# KiCad board MainPCBV2.kicad_pcb
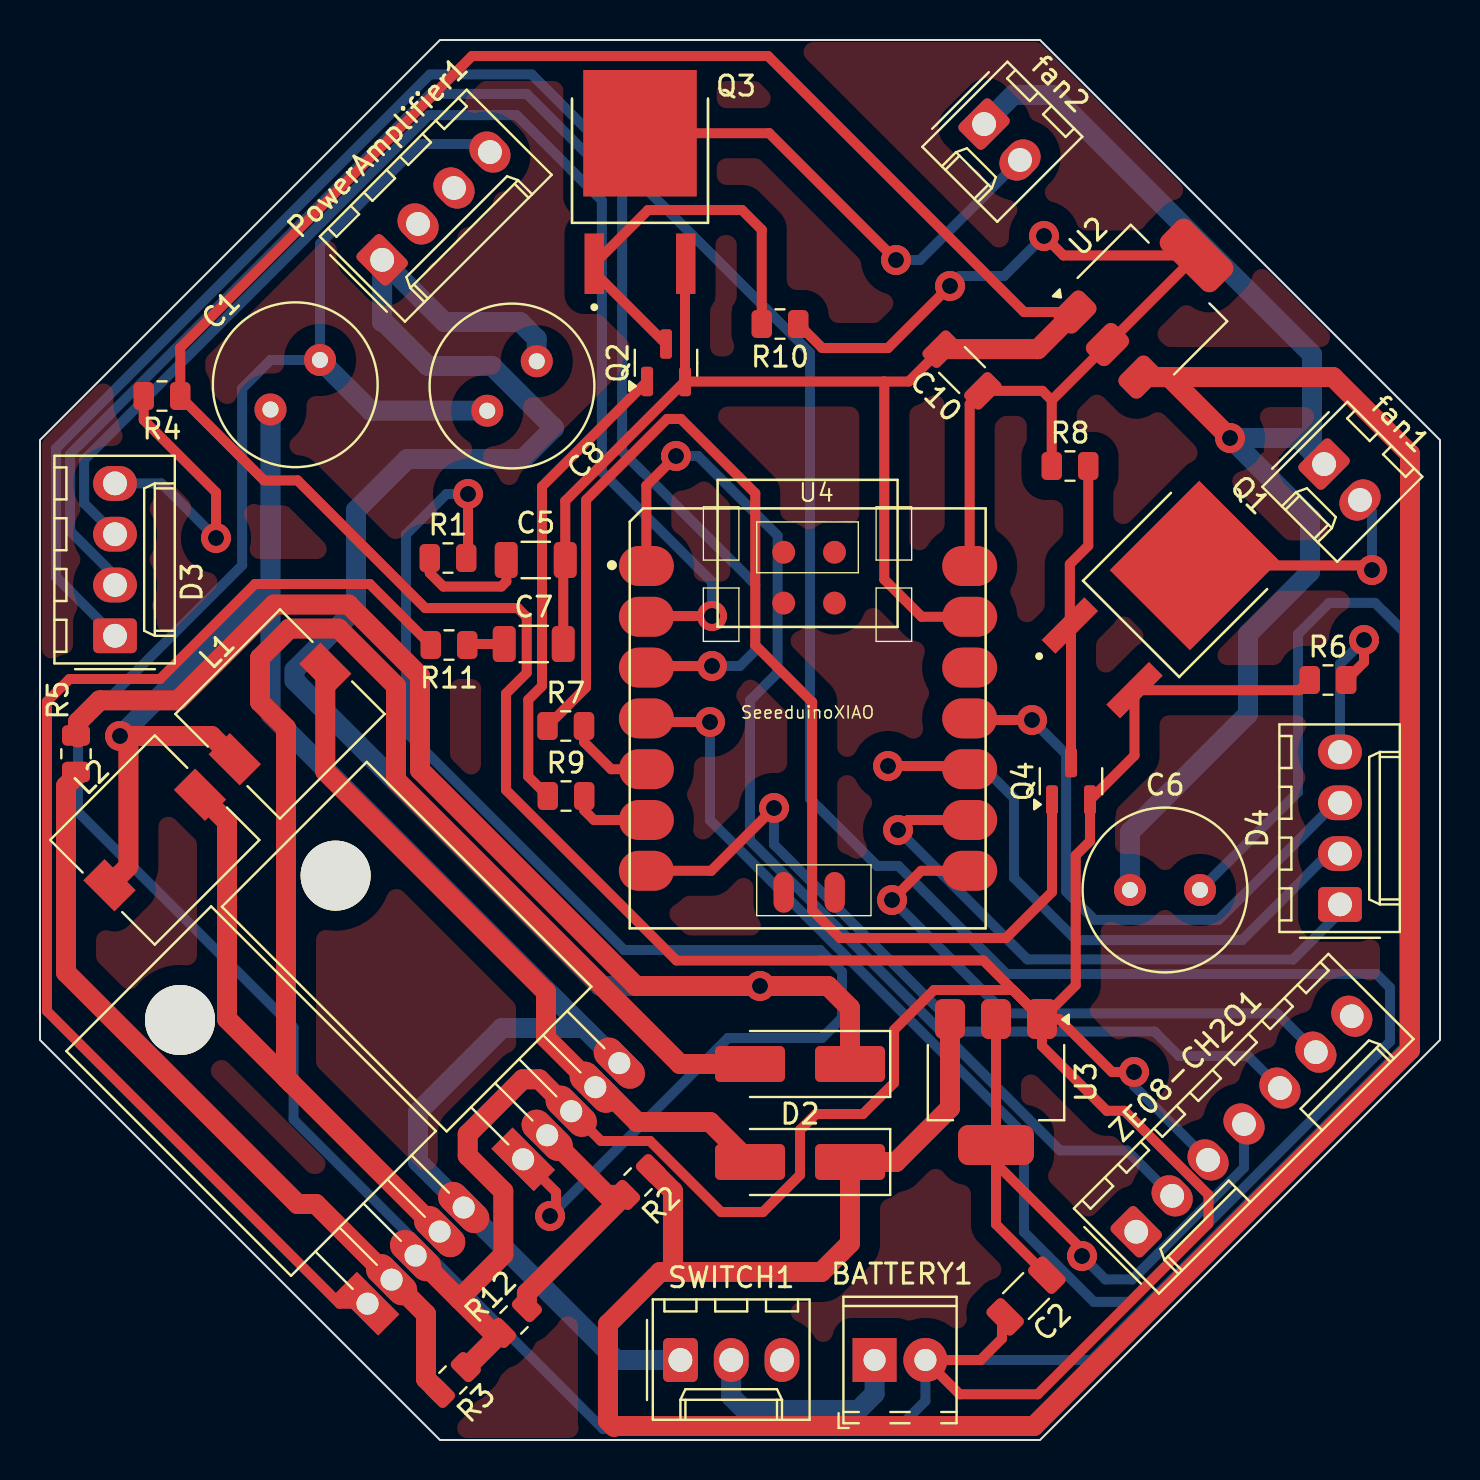
[diagram p0: board, top side]
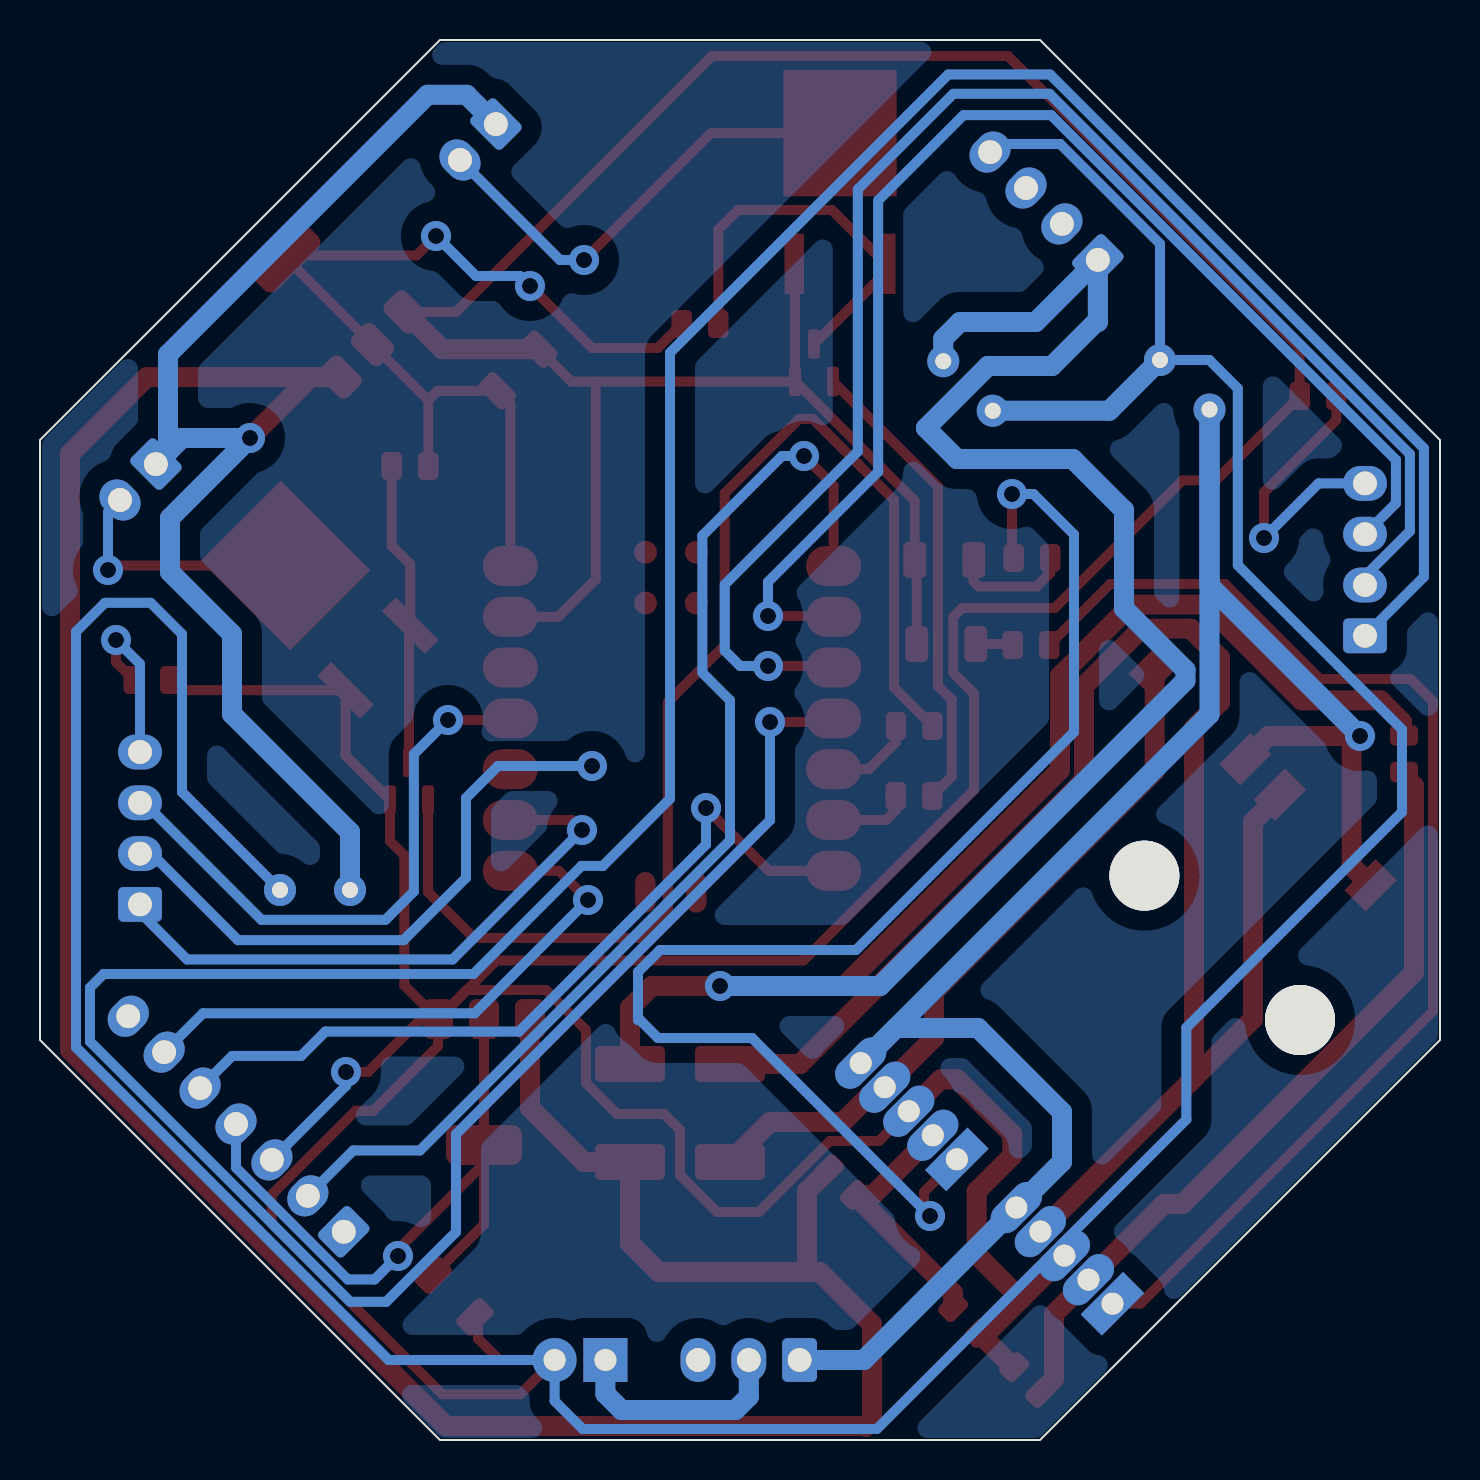
[diagram p1: board, bottom side, seen from below]

Outline 70 x 70 mm; copper layers: Top, Bottom. Coordinates in mm from the lower left corner of the outline.
Outline path: 0,50 20,70 50,70 70,50 70,20 50,0 20,0 0,20 closed
Stack: Top 0.035mm / dielectric 1.51mm FR4 er 4.5 / Bottom 0.035mm

## Placement (name value [footprint] x y rotation side)
BATTERY1  Screw_Terminal_01x02  [TerminalBlock_Phoenix_MPT-0,5-2-2.54_1x02_P2.54mm_Horizontal]  41.73 4 0 top
C1  100uF  [C_Radial_D8.0mm_H7.0mm_P3.50mm]  11.53 51.53 45 top
C2  1uF  [C_1206_3216Metric]  49.3 7.2 225 top
C5  100n  [C_1206_3216Metric]  24.79 44 0 top
C6  100uF  [C_Radial_D8.0mm_H7.0mm_P3.50mm]  54.5 27.5 0 top
C7  100n  [C_1206_3216Metric]  24.69 39.8 0 top
C8  100uF  [C_Radial_D8.0mm_H7.0mm_P3.50mm]  24.84 53.94 225 top
C10  1uF  [C_1206_3216Metric]  46.1 53.5 135 top
D1  1N5822  [D_SMA_Handsoldering]  38 13.9 180 top
D2  1N5822  [D_SMA_Handsoldering]  38 18.8 180 top
D3  LED_BRGK  [Molex_KK-254_AE-6410-04A_1x04_P2.54mm_Vertical]  3.75 40.21 90 top
D4  LED_BRGK  [Molex_KK-254_AE-6410-04A_1x04_P2.54mm_Vertical]  65 26.78 90 top
fan1  Conn_01x02_Female  [Molex_KK-254_AE-6410-02A_1x02_P2.54mm_Vertical]  64.2 48.8 315 top
fan2  Conn_01x02_Female  [Molex_KK-254_AE-6410-02A_1x02_P2.54mm_Vertical]  47.2 65.8 315 top
L1  L  [L_7.3x7.3_H4.5]  12 36.3 45 top
L2  L  [L_7.3x7.3_H4.5]  5.74 30 45 top
PowerAmplifier1  Conn_01x04_Male  [Molex_KK-254_AE-6410-04A_1x04_P2.54mm_Vertical]  17.11 59.01 45 top
Q1  AOD4184A  [DPAK228P994X240-4N]  56 42 315 top
Q2  BC850  [SOT-23]  31.3 53.86 90 top
Q3  AOD4184A  [DPAK228P994X240-4N]  30 62.9 0 top
Q4  BC850  [SOT-23]  51.55 32.94 90 top
R1  R_US  [R_0805_2012Metric]  20.4 44.1 0 top
R2  R_US  [R_0805_2012Metric]  29.9 12.9 225 top
R3  R_US  [R_0805_2012Metric]  20.65 3 225 top
R4  10K  [R_0805_2012Metric]  6.1 52.2 180 top
R5  R_US  [R_0805_2012Metric]  1.8 34.31 270 top
R6  10K  [R_0805_2012Metric]  64.4 38 0 top
R7  R_US  [R_0805_2012Metric]  26.29 35.7 0 top
R8  R_US  [R_0805_2012Metric]  51.5 48.7 0 top
R9  R_US  [R_0805_2012Metric]  26.3 32.2 0 top
R10  10k  [R_0805_2012Metric]  37 55.8 180 top
R11  R_US  [R_0805_2012Metric]  20.45 39.75 180 top
R12  R_US  [R_0805_2012Metric]  23.7 6 45 top
SWITCH1  SW_SPDT  [Molex_KK-254_AE-6410-03A_1x03_P2.54mm_Vertical]  32.02 4 0 top
U1  ~  [LM2577]  28.22 14.78 45 top
U2  AMS1117-5.0  [SOT-223-3_TabPin2]  55.6 57 45 top
U3  AMS1117-5.0  [SOT-223-3_TabPin2]  47.8 17.9 270 top
U4  SeeeduinoXIAO  [Seeeduino XIAO-MOUDLE14P-2.54-21X17.8MM]  29.49 25.58 0 top
U5  ~  [LM2577]  20.44 7.56 45 top
ZE08-CH2O1  Conn_01x07_Female  [Molex_KK-254_AE-6410-07A_1x07_P2.54mm_Vertical]  54.81 10.41 45 top

## Library data of the parts
BATTERY1 = -: ki_fp_filters: TerminalBlock*:*
C1 C6 C8 = -: ki_fp_filters: CP_*
C2 C5 C7 C10 = -: ki_fp_filters: C_*
D1 D2 = -: ki_fp_filters: TO-???* *_Diode_* *SingleDiode* D_*
D3 D4 = -: ki_fp_filters: LED* LED_SMD:* LED_THT:*
fan1 fan2 PowerAmplifier1 ZE08-CH2O1 = -: ki_fp_filters: Connector*:*_1x??_*
L1 L2 = -: ki_fp_filters: Choke_* *Coil* Inductor_* L_*
Q1 Q3 = -: Description: N-Channel 40V 13A (Ta), 50A (Tc) 2.3W (Ta), 50W (Tc) Surface Mount TO-252, (D-Pak); MF: Alpha &; MAXIMUM_PACKAGE_HEIGHT: 2.4mm; Package: TO-252 Alpha &amp; Omega Semiconductor; Price: None; Check_prices: https://www.snapeda.com/parts/AOD4184A/Alpha+%2526+Omega+Semiconductor+Inc./view-part/?ref=eda; STANDARD: IPC-7351B; PARTREV: 0; SnapEDA_Link: https://www.snapeda.com/parts/AOD4184A/Alpha+%2526+Omega+Semiconductor+Inc./view-part/?ref=snap; Availability: In Stock; MANUFACTURER: Alpha and Omega
Q2 Q4 = -: Datasheet: http://www.infineon.com/dgdl/Infineon-BC847SERIES_BC848SERIES_BC849SERIES_BC850SERIES-DS-v01_01-en.pdf?fileId=db3a304314dca389011541d4630a1657; ki_fp_filters: SOT?23*
R1-R12 = -: ki_fp_filters: R_*
U1 U5 = -: ki_fp_filters: lm2577
U2 U3 = -: Datasheet: http://www.advanced-monolithic.com/pdf/ds1117.pdf; ki_fp_filters: SOT?223*TabPin2*

## Footprints (pads in the part's own frame, mm; a bottom-side part is the same pattern mirrored in y, then rotated)
C_1206_3216Metric
  rrect 1.15x1.8 smd: 1(-1.475,0) 2(1.475,0)
C_Radial_D8.0mm_H7.0mm_P3.50mm
  round 1.6 hole 0.8: 1(0,0) 2(3.5,0)
D_SMA_Handsoldering
  rrect 3.5x1.8 smd: 1(-2.5,0) 2(2.5,0)
DPAK228P994X240-4N
  rect 0.97x3.02 smd: 1(-2.286,-4.09) 3(2.286,-4.09)
  rect 5.67x6.32 smd: 4(0,2.44)
L_7.3x7.3_H4.5
  rect 1.5x2.2 smd: 1(-3.2,0) 2(3.2,0)
LM2577
  oval 3.5x3.5 hole 3.5 unplated: (0,19)
  rect 1.5x3 hole 1.1: 1(-3.4,2.34)
  oval 1.5x3 hole 1.1: 2(-1.7,2.34) 3(0,2.34) 4(1.7,2.34) 5(3.4,2.34)
Molex_KK-254_AE-6410-02A_1x02_P2.54mm_Vertical
  rrect 1.74x2.19 hole 1.19: 1(0,0)
  oval 1.74x2.19 hole 1.19: 2(2.54,0)
Molex_KK-254_AE-6410-03A_1x03_P2.54mm_Vertical
  rrect 1.74x2.19 hole 1.19: 1(0,0)
  oval 1.74x2.19 hole 1.19: 2(2.54,0) 3(5.08,0)
Molex_KK-254_AE-6410-04A_1x04_P2.54mm_Vertical
  rrect 1.74x2.19 hole 1.19: 1(0,0)
  oval 1.74x2.19 hole 1.19: 2(2.54,0) 3(5.08,0) 4(7.62,0)
Molex_KK-254_AE-6410-07A_1x07_P2.54mm_Vertical
  rrect 1.74x2.19 hole 1.19: 1(0,0)
  oval 1.74x2.19 hole 1.19: 2(2.54,0) 3(5.08,0) 4(7.62,0) 5(10.16,0) 6(12.7,0) 7(15.24,0)
R_0805_2012Metric
  rrect 1.025x1.4 smd: 1(-0.912,0) 2(0.912,0)
Seeeduino XIAO-MOUDLE14P-2.54-21X17.8MM
  oval 2.748x1.999 smd: 1(0.833,18.118) 2(0.833,15.578) 3(0.833,13.038) 4(0.833,10.498) 5(0.833,7.958) 6(0.833,5.418) 7(0.833,2.878) 8(16.998,2.878) 9(16.998,5.418) 10(16.998,7.958) 11(16.998,10.498) 12(16.998,13.038) 13(16.998,15.578) 14(16.998,18.118)
  oval 1.016x2.032 smd: 15(7.7,1.8) 16(10.25,1.8)
  round 1.143 smd: 17(7.699,18.804) 18(10.239,18.804) 19(7.699,16.264) 20(10.239,16.264)
SOT-23
  rrect 1.475x0.6 smd: 1(-0.938,0.95) 2(-0.938,-0.95) 3(0.938,0)
SOT-223-3_TabPin2
  rrect 2x1.5 smd: 1(-3.15,2.3) 2(-3.15,0) 3(-3.15,-2.3)
  rrect 2x3.8 smd: 2(3.15,0)
TerminalBlock_Phoenix_MPT-0,5-2-2.54_1x02_P2.54mm_Horizontal
  round 1.1 smd: (0,-2.54) (2.54,-2.54)
  rect 2.2x2.2 hole 1.1: 1(0,0)
  round 2.2 hole 1.1: 2(2.54,0)

## Nets
+5V: C2.1 U3.2 ZE08-CH2O1.4
+5VA: C10.1 R8.1 R10.1 U2.2 U4.14
+5VL: C8.1 D2.1 PowerAmplifier1.1 R5.1
+12V: C6.1 D1.1 fan1.1 fan2.1 R2.1 U2.3 U3.3
GND: BATTERY1.2 C1.2 C2.2 C5.2 C6.2 C7.2 C8.2 C10.2 PowerAmplifier1.4 Q1.3 Q2.2 Q3.3 Q4.2 R3.1 R4.1 R6.1 R12.1 U1.3 U2.1 U3.1 U4.13 U5.3 ZE08-CH2O1.3
+BATT: C1.1 L1.1 L2.1 SWITCH1.1 U1.5 U5.5
DAC1: U4.1 ZE08-CH2O1.2
mosfet1: R7.2 U4.5
mosfet2: R9.2 U4.6
RXD: U4.7 ZE08-CH2O1.5
TXD: U4.8 ZE08-CH2O1.6
Net-(BATTERY1-Pin_1): BATTERY1.1 SWITCH1.2
Net-(C5-Pad1): C5.1 R1.1
Net-(C7-Pad1): C7.1 R11.1
Net-(D1-A): D1.2 L1.2 U1.4
Net-(D2-A): D2.2 L2.2 U5.4
Net-(D3-BA): D3.1 U4.4
Net-(D3-GA): D3.3 U4.2
Net-(D3-K): D3.4 R4.2
Net-(D3-RA): D3.2 U4.3
Net-(D4-BA): D4.1 U4.9
Net-(D4-GA): D4.3 U4.11
Net-(D4-K): D4.4 R6.2
Net-(D4-RA): D4.2 U4.10
Net-(fan1-Pin_2): fan1.2 Q1.4
Net-(fan2-Pin_2): fan2.2 Q3.4
Net-(Q2-B): Q2.1 R9.1
Net-(Q2-C): Q2.3 Q3.1 R10.2
Net-(Q4-B): Q4.1 R7.1
Net-(Q4-C): Q1.1 Q4.3 R8.2
Net-(U1-COMP): R1.2 U1.1
Net-(U1-FB): R2.2 R12.2 U1.2
Net-(U5-COMP): R11.2 U5.1
Net-(U5-FB): R3.2 R5.2 U5.2

Pads without a net: PowerAmplifier1 2 3; SWITCH1 3; U4 12 15 16 17 18 19 20; ZE08-CH2O1 1 7

## Via types
v1: diameter 1.5, hole 0.8, Top to Bottom, 22 vias

## Routing (per net, layer and track width the routed paths; a pad name or vN(x,y) marks a point on that pad's centre or on a via; arc(x,y) is an arc through that point)
+5V: length 34.6
  Top w0.5: U3.2 47.8,13.82 52.1,9.52 v1(52.1,9.2) ; U3.2 47.8,10.79 C2.1 ; U3.2 U3.2
  Bottom w0.5: 59.9,15.8 ZE08-CH2O1.4 60.2,13.62 54.61,8.03 53.27,8.03 v1(52.1,9.2)
+5VA: length 49.3
  Top w0.5: 50.59,51.99 U2.2 U2.2 51.17,59.23 v1(50.2,60.2) ; 50.59,51.99 R8.1 ; 50.59,51.99 50.12,52.46 C10.1 46.48,51.8 U4.14 ; R10.1 39.11,54.6 42.4,54.6 v1(45.5,57.7)
  Bottom w0.5: v1(50.2,60.2) 48.2,58.2 46,58.2 v1(45.5,57.7)
+5VL: length 131.1
  Top w1: 1.9,35.12 1.9,35.9 2.98,36.98 6.91,36.98 11.7,41.77 15.43,41.77 19,38.2 19,33.5 29.8,22.7 v1(36,22.7) 39.4,22.7 40.5,21.6 D2.1
  Bottom w1: v1(36,22.7) 28,22.7 12.73,37.97 12.73,38.5 15.8,41.57 15.8,46.49 18.36,49.05 24.15,49.05 25.7,50.6 22.6,53.7 19.4,53.7 17.2,55.9 17.11,55.9 PowerAmplifier1.1 20.22,55.9 24,55.9 24.84,55.06 C8.1
+12V: length 199.4
  Top w1: D1.1 42.8,13.9 45.5,16.6 U3.3 ; D1.1 40.1,13.5 ; D1.1 40.5,9.83 39.07,8.4 31.65,8.4 ; 31.65,8.4 31.01,8.4 28.4,5.79 28.4,0.97 28.7,0.66 28.74,0.7 49.7,0.7 68.5,19.5 68.5,49.3 64.65,53.15 U2.3 56.45,53.15 v1(59.5,50.1) ; 31.65,8.4 31.65,12.44 R2.1
  Bottom w1: fan2.1 48.67,67.26 50.62,67.26 63.6,54.28 63.6,49.4 fan1.1 62.9,50.1 v1(59.5,50.1) 63.5,46.1 63.5,43.4 60.4,40.3 60.4,36.3 54.5,30.4 C6.1
GND: length 502.5
  Top w0.5: 48.1,6.4 48.1,5.07 47.03,4 BATTERY1.2 45.98,2.29 49.89,2.29 58.42,10.82 58.42,12.26 54.22,16.46 53.34,16.46 50.1,19.7 U3.1 ; U3.1 48.65,22.5 44.7,22.5 42.7,20.5 42.7,17.85 41.15,16.3 38.8,16.3 38,15.5 38,13.25 36.15,11.4 34.05,11.4 30.5,14.95 28.05,14.95 U1.3 ; U3.1 47.17,23.98 31.82,23.98 23.3,32.5 23.3,37.32 24.34,38.36 24.34,41.14 23.88,41.6 19.26,41.6 12.88,47.98 11.2,47.98 7.01,52.17 R4.1 7.01,54.61 21.6,69.2 36.4,69.2 49.2,56.4 U2.1 ; U3.1 51.79,22.74 51.79,29.23 52.5,29.94 Q4.2 54.72,34.22 Q1.3 62.98,37.49 R6.1 ; U3.1 50.95,21.05 53.6,18.4 v1(54.7,18.4) ; Q2.2 42.21,52.92 ; Q2.2 32.24,52.92 26.26,46.95 C5.2 26.16,43.9 C7.2 ; Q2.2 32.25,58.77 Q3.3 ; 42.21,52.92 43.44,52.92 C10.2 ; 42.21,52.92 42.21,43.03 44.08,41.16 U4.13
  Top w1: 20.95,7.05 23.16,9.26 23.16,12.44 21.39,14.21 21.39,15.29 24.13,18.03 24.97,18.03 U1.3 ; U5.3 22.65,5.35 R12.1 21.35,3.65 R3.1 ; C10.2 49.89,54.54 U2.1
  Bottom w0.5: C6.2 62.9,32.4 62.9,40.29 64.47,41.86 66.75,41.86 68.2,40.41 68.2,19.64 52.56,4 BATTERY1.2 44.27,1.95 42.87,0.55 28.16,0.55 12.68,16.03 12.68,20.62 1.9,31.4 1.9,35.53 10.11,43.74 10.11,52.58 11.53,54 C1.2 14,59.81 18.99,64.8 22.09,64.8 PowerAmplifier1.4 ; v1(54.7,18.4) 54.7,17.71 ZE08-CH2O1.3
  Bottom w1: C1.2 16.54,51.46 C8.2
+BATT: length 106.1
  Top w1: L2.1 4.42,28.68 4.42,34.78 v1(4,35.2) 8.57,35.2 L1.1
  Bottom w1: 29.12,19 U1.5 ; U1.5 27.21,20.6 23.1,20.6 18.9,16.4 18.9,13.91 U5.5 28.81,4 SWITCH1.1 ; U1.5 11.53,36.28 C1.1 11.53,42.73 v1(4,35.2)
DAC1: length 57.1
  Top w0.5: v1(31.8,49.2) 30.32,47.72 U4.1
  Bottom w0.5: ZE08-CH2O1.2 54.34,14.48 51,14.48 35.5,29.98 35.5,36.98 36.88,38.36 36.88,45.22 32.9,49.2 v1(31.8,49.2)
mosfet1: length 4.5
  Top w0.5: R7.2 27.2,34.9 28.56,33.54 U4.5
mosfet2: length 4
  Top w0.5: U4.6 27.7,31 27.21,31.49 R9.2
RXD: length 39.9
  Top w0.5: U4.7 33.56,28.46 v1(36.7,31.6)
  Bottom w0.5: v1(36.7,31.6) 36.7,29.77 46.05,20.42 55.73,20.42 56.95,19.2 60.39,19.2 ZE08-CH2O1.5
TXD: length 29.7
  Top w0.5: 47.12,29.1 U4.8 44.06,28.46 v1(42.6,27)
  Bottom w0.5: v1(42.6,27) 48.26,21.34 61.85,21.34 ZE08-CH2O1.6
Net-(BATTERY1-Pin_1): length 11.3
  Bottom w1: SWITCH1.2 34.56,2.17 35.23,1.5 40.92,1.5 41.73,2.31 BATTERY1.1
Net-(C5-Pad1): length 6
  Top w0.5: R1.1 19.49,43.35 20.17,42.67 23.06,42.67 23.32,42.93 23.32,44 C5.1
Net-(C7-Pad1): length 1.9
  Top w0.5: R11.1 21.41,39.8 C7.1
Net-(D1-A): length 35.8
  Top w1: D1.2 33.5,15.9 29.86,15.9 28.12,17.64 U1.4 25.3,20.1 25.3,22.4 14.26,33.44 L1.2
Net-(D2-A): length 85.6
  Top w1: D2.2 32,18.8 17.8,33 17.8,37.7 14.93,40.57 12.47,40.57 11,39.1 11,36.9 12.3,35.6 12.3,18.1 12.55,17.85 ; 12.55,17.85 9.35,21.05 9.35,30.91 L2.2 ; 12.55,17.85 U5.4
Net-(D3-BA): length 180.1
  Top w0.5: v1(33.5,35.9) 30.5,35.9 U4.4
  Bottom w0.5: v1(33.5,35.9) 33.5,30.99 49.2,15.29 49.2,10.4 52.69,6.91 54.48,6.91 67.5,19.93 67.5,22.62 66.82,23.3 48.33,23.3 42.93,28.7 41.86,28.7 38.5,32.06 38.5,54.36 24.59,68.28 19.5,68.28 0.81,49.58 0.81,43.16 D3.1
Net-(D3-GA): length 65.5
  Top w0.5: v1(33.6,41.2) 30.36,41.2 U4.2
  Bottom w0.5: v1(33.6,41.2) 33.6,42.9 28.09,48.41 28.09,61.98 23.83,66.24 19.44,66.24 2.2,49 2.2,46.83 D3.3
Net-(D3-K): length 14.8
  Top w0.5: v1(8.8,45.1) 8.8,47.38 5.19,51 R4.2
  Bottom w0.5: v1(8.8,45.1) 6.07,47.83 D3.4
Net-(D3-RA): length 76.8
  Top w0.5: v1(33.6,38.7) 30.4,38.7 U4.3
  Bottom w0.5: v1(33.6,38.7) 34.99,38.7 35.76,39.47 35.76,42.77 29.11,49.43 29.11,62.53 24.33,67.31 19.52,67.31 1.5,49.29 1.5,45.44 4.2,42.75 D3.2
Net-(D4-BA): length 29.5
  Top w0.5: v1(42.9,30.5) 43.4,31 U4.9
  Bottom w0.5: 65,26.38 62.65,24.03 49.37,24.03 v1(42.9,30.5)
Net-(D4-GA): length 29
  Top w0.5: U4.11 46.56,36 v1(49.6,36)
  Bottom w0.5: v1(49.6,36) 51.31,34.29 51.31,27.42 52.72,26.01 58.93,26.01 64.38,31.46 65,31.46
Net-(D4-K): length 9.3
  Top w0.5: 65.31,34.31 65,34 ; v1(66.2,40) 66.2,38.89 R6.2
  Bottom w0.5: v1(66.2,40) 65,38.8 65,34
Net-(D4-RA): length 34.3
  Top w0.5: U4.10 46.32,33.7 v1(42.4,33.7)
  Bottom w0.5: 65,28.92 64.02,28.92 60.1,24.99 51.82,24.99 48.7,28.11 48.7,32.1 47.1,33.7 v1(42.4,33.7)
Net-(fan1-Pin_2): length 12.7
  Top w0.5: Q1.4 66.37,43.73 v1(66.6,43.5)
  Bottom w0.5: fan1.2 66.6,46.4 v1(66.6,43.5)
Net-(fan2-Pin_2): length 23.7
  Top w0.5: v1(42.8,59) 36.46,65.34 Q3.4
  Bottom w0.5: fan2.2 44,59 v1(42.8,59)
Net-(Q2-B): length 23.6
  Top w0.5: R9.1 24.41,33.17 24.41,37.01 25.1,37.7 25.1,47.67 Q2.1
Net-(Q2-C): length 20.1
  Top w0.5: R10.2 36.09,60.51 35.1,61.5 30.4,61.5 Q3.1 27.71,58.39 Q2.3
Net-(Q4-B): length 63.9
  Top w0.5: Q4.1 50.6,27.4 48.3,25.1 40,25.1 38.61,26.49 38.61,36.89 35.76,39.74 35.76,47.34 32.05,51.05 31.35,51.05 27.3,47 27.3,37.62 R7.1
Net-(Q4-C): length 15.2
  Top w0.5: Q4.3 51.55,40.67 Q1.1 51.49,43.79 52.41,44.71 R8.2
Net-(U1-COMP): length 68.5
  Top w0.5: R1.2 21.4,44.19 v1(21.4,47.3) ; v1(25.5,11.2) 25.8,11.5 25.8,12.4 24.17,14.03 U1.1
  Bottom w0.5: v1(21.4,47.3) 20.33,47.3 18.3,45.27 18.3,35.4 29.2,24.5 39,24.5 40.1,23.4 40.1,21 40,21 39.1,20.1 34.4,20.1 v1(25.5,11.2)
Net-(U1-FB): length 12.8
  Top w1: R12.2 24.35,7.35 R2.2 28.34,12.25 U1.2
Net-(U5-COMP): length 60.5
  Top w0.5: U5.1 14.98,6.82 0.35,21.44 0.35,36.93 1.47,38.05 6.01,38.05 10.76,42.8 16.49,42.8 R11.2
Net-(U5-FB): length 39.5
  Top w1: R3.2 19.3,3.05 19.3,6.3 U5.2 13.8,11.8 12.88,11.8 1.3,23.38 1.3,32.7 1.9,33.3

## Copper pours and planes (outline as drawn; the poured copper is in the pictures)
(no net) on Top, Bottom: 20,70 50,70 70,50 70,20 50,0 20,0 0,20 0,50
